# KiCad board LogicBoard_tht2.kicad_pcb (continued)
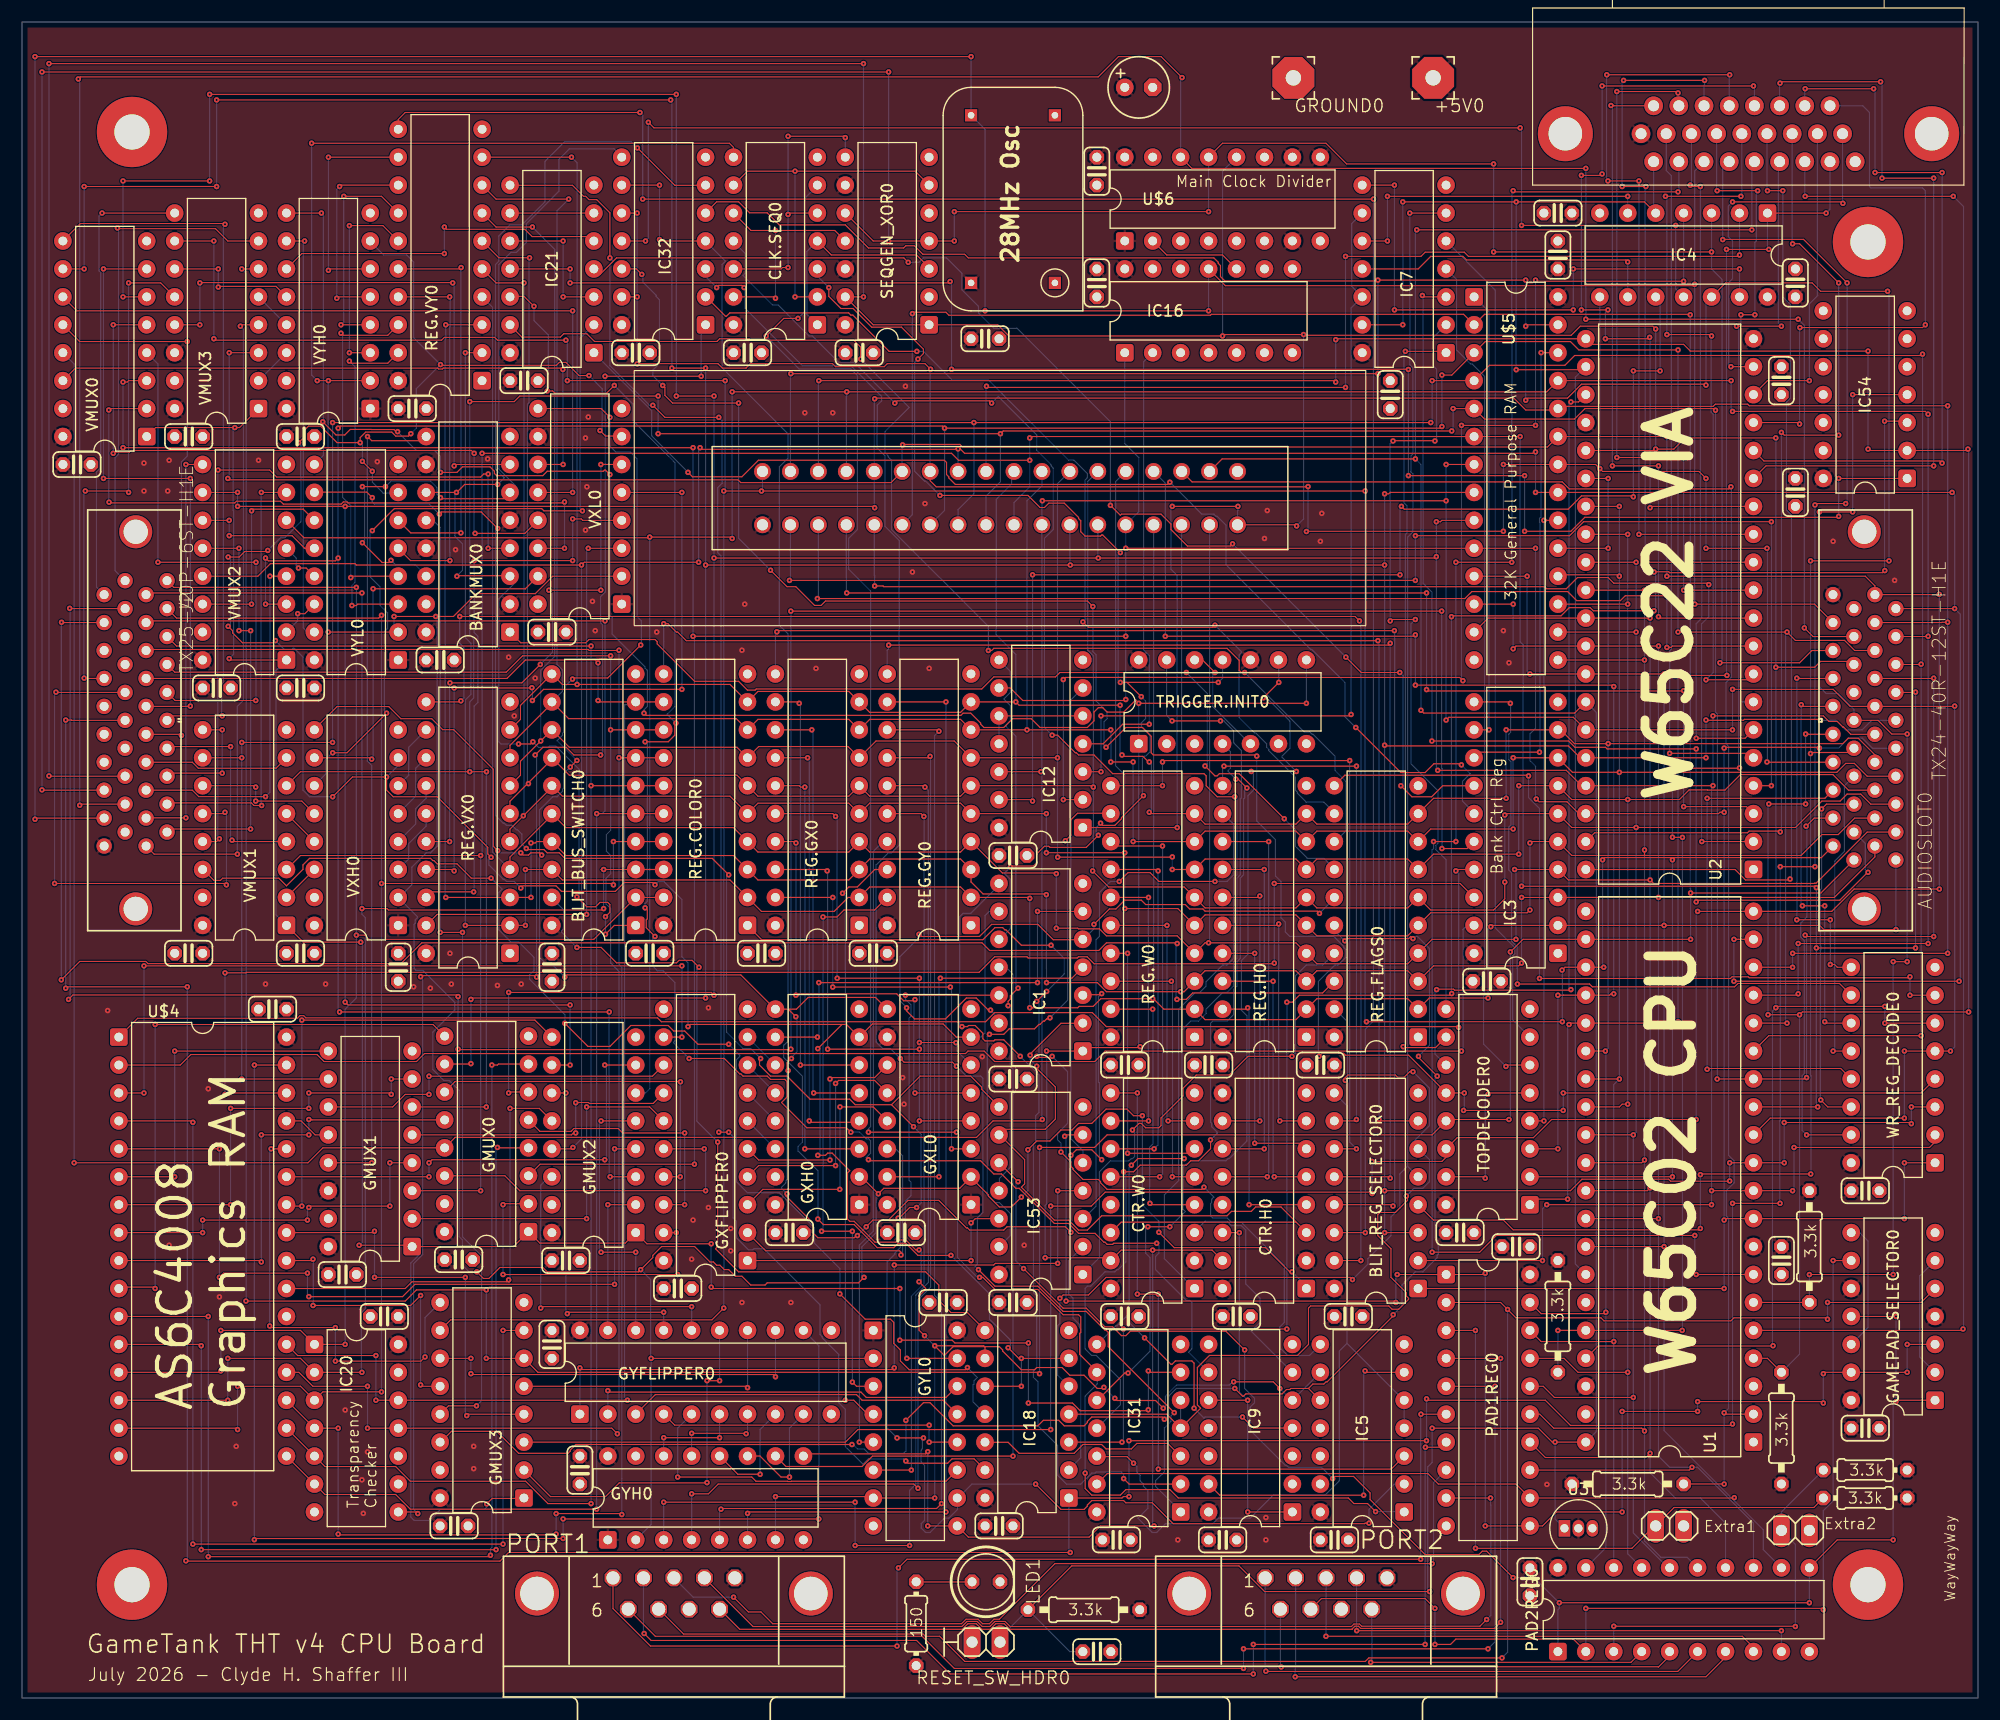
[diagram p0: board, top side]
## Routing (per net, layer and track width the routed paths; a pad name or vN(x,y) marks a point on that pad's centre or on a via; arc(x,y) is an arc through that point) (continued)
Net-(GMUX2A-2A): length 25.5
  Top w0.102: v1(55.79,40.54) v1(52.64,40.54) ; v1(52.64,52.48) GMUX2.5
  Bottom w0.102: v1(52.64,40.54) 52.49,40.69 52.49,52.33 v1(52.64,52.48) ; GYFLIPPER0.18 v1(55.79,40.54)
Net-(GMUX2A-2Y): length 41.9
  Top w0.102: U$4.27 v1(37,47.4) ; v1(37,48.67) 37.27,48.94 v1(52.98,48.94) ; GMUX2.7 v1(52.98,57.56)
  Bottom w0.102: v1(37,47.4) v1(37,48.67) ; v1(52.98,57.56) 53.12,57.41 53.12,49.09 v1(52.98,48.94)
Net-(GMUX2A-3A): length 31.9
  Top w0.102: v1(49.57,34.95) 49.7,35.08 v1(58.33,35.08) ; v1(49.44,55.02) GMUX2.11
  Bottom w0.102: GYFLIPPER0.17 v1(58.33,35.08) ; v1(49.57,34.95) 49.44,35.08 v1(49.44,55.02)
Net-(GMUX2A-3Y): length 41.7
  Top w0.102: U$4.26 24.17,44.73 v1(25.44,44.73) ; GMUX2.9 46.62,61.64 v1(25.44,61.64)
  Bottom w0.102: v1(25.44,61.64) v1(25.44,44.73)
Net-(GMUX2A-4A): length 28.4
  Top w0.102: v1(60.87,35.59) 47.28,35.59 v1(47.16,35.46)
  Bottom w0.102: v1(47.16,35.46) 47.16,46.63 47.92,47.4 GMUX2.14 ; GYFLIPPER0.16 v1(60.87,35.59)
Net-(GMUX2A-4Y): length 40.4
  Top w0.102: v1(44.23,38.02) 44.06,37.85 35.45,37.85 34.84,37.24 U$4.23 ; GMUX2.12 47.02,53.62 v1(44.36,53.62)
  Bottom w0.102: v1(44.23,38.02) 44.36,38.15 v1(44.36,53.62)
Net-(GMUX3A-1A): length 33.2
  Top w0.102: v1(62.27,28.85) v1(63.41,28.85) ; GMUX3.2 48.04,18.31 53.04,18.31 54.29,19.56 62.25,19.56 v1(62.27,19.58)
  Bottom w0.102: v1(62.27,19.58) v1(62.27,28.85) ; v1(63.41,28.85) GYFLIPPER0.15
Net-(GMUX3A-1Y): length 38.4
  Top w0.102: GMUX3.4 40.55,25.81 v1(40.42,25.68) ; v1(32.04,42.44) 31.92,42.32 U$4.25 ; v1(40.3,38.25) v1(32.04,38.25)
  Bottom w0.102: v1(40.42,25.68) 40.3,25.81 v1(40.3,38.25) ; v1(32.04,38.25) v1(32.04,42.44)
Net-(GMUX3A-2A): length 25.6
  Top w0.102: v1(65.95,28.22) 65.82,28.35 GMUX3.5
  Bottom w0.102: v1(65.95,28.22) GYFLIPPER0.14
Net-(GMUX3A-2Y): length 94.7
  Top w0.102: v1(43.73,33.43) GMUX3.7 ; v1(15.53,52.35) 15.41,52.48 U$4.4 ; v1(15.53,14) v1(43.73,14)
  Bottom w0.102: v1(15.53,52.35) v1(15.53,14) ; v1(43.73,14) v1(43.73,33.43)
Net-(GMUX3A-3A): length 36.2
  Top w0.102: v1(40.81,29.49) 40.88,29.41 68.29,29.41 v1(68.49,29.21) ; GMUX3.11 v1(40.81,30.89)
  Bottom w0.102: v1(40.81,30.89) v1(40.81,29.49) ; v1(68.49,29.21) GYFLIPPER0.13
Net-(GMUX3A-3Y): length 40.5
  Top w0.102: v1(28.49,30.63) 36.25,30.63 v1(36.64,31.01) ; v1(22.52,33.83) 22.67,33.68 v1(28.49,33.68) ; v1(22.64,49.94) U$4.28
  Bottom w0.102: GMUX3.9 36.64,34.6 v1(36.64,31.01) ; v1(22.64,49.94) 22.52,49.81 v1(22.52,33.83) ; v1(28.49,30.63) v1(28.49,33.68)
Net-(GMUX3A-4Y): length 26.8
  Top w0.102: v1(26.45,39.9) 26.33,39.78 U$4.24 ; v1(36.23,36.6) 35.32,35.69 v1(26.45,35.69) ; v1(36.23,28.47) 36.36,28.35 GMUX3.12
  Bottom w0.102: v1(36.23,28.47) v1(36.23,36.6) ; v1(26.45,39.9) 26.48,39.88 26.48,35.71 v1(26.45,35.69)
Net-(GXFLIPPER0A-D0): length 25.7
  Top w0.102: GXFLIPPER0.2 67.6,40.67 79.77,40.67 79.9,40.54 v1(79.9,40.28)
  Bottom w0.102: GXL0.14 79.41,49.94 80.05,49.3 80.05,40.43 v1(79.9,40.28)
Net-(GXFLIPPER0A-D1): length 21.3
  Top w0.102: v1(74.35,53.75) 77.38,53.75 GXL0.13 ; v1(74.33,46.25) 67.34,46.25 GXFLIPPER0.3
  Bottom w0.102: v1(74.35,53.75) 74.35,46.28 v1(74.33,46.25)
Net-(GXFLIPPER0A-D2): length 21.2
  Top w0.102: v1(73.95,48.41) 66.96,48.41 GXFLIPPER0.4 ; v1(73.95,55.88) 74.23,56.16 77.5,56.16 GXL0.12
  Bottom w0.102: v1(73.95,48.41) v1(73.95,55.88)
Net-(GXFLIPPER0A-D3): length 21
  Top w0.102: GXL0.11 77.5,56.41 73.57,56.41 v1(73.44,56.29) ; GXFLIPPER0.5 66.96,48.92 v1(73.44,48.92)
  Bottom w0.102: v1(73.44,48.92) v1(73.44,56.29)
Net-(GXFLIPPER0A-D4): length 3.6
  Bottom w0.102: GXFLIPPER0.6 GXH0.14
Net-(GXFLIPPER0A-D5): length 3.6
  Bottom w0.102: GXFLIPPER0.7 GXH0.13
Net-(GXFLIPPER0A-D6): length 3.6
  Bottom w0.102: GXFLIPPER0.8 GXH0.12
Net-(GXFLIPPER0A-D7): length 3.6
  Bottom w0.102: GXFLIPPER0.9 GXH0.11
Net-(GXFLIPPER0A-T/~{C}): length 26.4
  Top w0.102: GXFLIPPER0.1 v1(86.27,39.78) ; v1(86.27,43.21) 86.65,43.59 IC53.12
  Bottom w0.102: v1(86.27,39.78) v1(86.27,43.21)
Net-(GXH0A-P0): length 40.6
  Top w0.102: REG.GX0.15 70.65,82.96 70.78,82.83 v1(71.16,82.83) ; GXH0.3 v1(71.16,49.94)
  Bottom w0.102: v1(71.16,49.94) v1(71.16,82.83)
Net-(GXH0A-P1): length 40.7
  Top w0.102: v1(71.56,52.48) 71.69,52.35 75.98,52.35 GXH0.4 ; v1(71.41,85.5) REG.GX0.14
  Bottom w0.102: v1(71.41,85.5) 71.56,85.35 v1(71.56,52.48)
Net-(GXH0A-P2): length 40.5
  Top w0.102: GXH0.5 v1(71.96,55.02) ; v1(71.79,88.04) REG.GX0.13
  Bottom w0.102: v1(71.96,55.02) 71.9,55.08 71.9,87.93 v1(71.79,88.04)
Net-(GXH0A-P3): length 40.5
  Top w0.102: REG.GX0.12 70.52,90.58 v1(70.65,90.45) ; GXH0.6 v1(70.76,57.56)
  Bottom w0.102: v1(70.76,57.56) 70.76,90.34 v1(70.65,90.45)
Net-(GXL0A-P0): length 40.6
  Top w0.102: v1(84.49,49.94) GXL0.3 ; REG.GX0.19 v1(73.7,72.8) ; v1(73.7,64.65) v1(84.39,64.65)
  Bottom w0.102: v1(73.7,72.8) v1(73.7,64.65) ; v1(84.49,49.94) 84.49,64.54 v1(84.39,64.65)
Net-(GXL0A-P1): length 40.5
  Top w0.102: v1(81.57,52.48) GXL0.4 ; v1(73.19,75.21) 73.06,75.34 REG.GX0.18 ; v1(73.23,59) v1(81.57,59)
  Bottom w0.102: v1(73.19,75.21) 73.23,75.17 v1(73.23,59) ; v1(81.57,59) v1(81.57,52.48)
Net-(GXL0A-P2): length 40.6
  Top w0.102: v1(70.35,77.75) 70.23,77.88 REG.GX0.17 ; v1(81.17,55.02) GXL0.5 ; v1(70.35,63.91) 70.48,64.03 79.51,64.03 80.14,63.4 81.06,63.4 v1(81.17,63.5)
  Bottom w0.102: v1(81.17,55.02) 81.06,55.12 81.06,63.4 v1(81.17,63.5) ; v1(70.35,77.75) v1(70.35,63.91)
Net-(GXL0A-P3): length 39.6
  Top w0.102: v1(74.1,65.45) v1(81.57,65.45) ; v1(81.57,59.6) 84.88,59.6 v1(84.9,59.59) ; REG.GX0.16 73.7,80.42 v1(73.95,80.16)
  Bottom w0.102: v1(84.9,59.59) 85,59.48 85,58.82 GXL0.6 ; v1(73.95,80.16) 74.1,80.01 v1(74.1,65.45) ; v1(81.57,65.45) v1(81.57,59.6)
Net-(GYFLIPPER0A-D0): length 34.6
  Top w0.102: GYL0.14 83.99,27.33 76.75,27.33 76.26,27.82 53.38,27.82 v1(53.25,27.94)
  Bottom w0.102: GYFLIPPER0.2 v1(53.25,27.94)
Net-(GYFLIPPER0A-D1): length 30.7
  Top w0.102: GYFLIPPER0.3 57.56,27.58 75.86,27.58 76.37,27.08 83.74,27.08 GYL0.13
Net-(GYFLIPPER0A-D2): length 28.6
  Top w0.102: v1(82.46,23.27) GYL0.12 ; v1(82.46,24.81) 59.33,24.81 GYFLIPPER0.4
  Bottom w0.102: v1(82.46,24.81) v1(82.46,23.27)
Net-(GYFLIPPER0A-D3): length 32.2
  Top w0.102: v1(59.6,20.09) 66.33,20.09 66.71,19.71 69.57,19.71 69.59,19.69 69.93,19.69 69.95,19.71 83.99,19.71 GYL0.11
  Bottom w0.102: v1(59.6,20.09) 59.6,24.54 GYFLIPPER0.5
Net-(GYFLIPPER0A-D4): length 8.9
  Top w0.102: v1(58.33,23.67) v1(63.41,23.67)
  Bottom w0.102: v1(63.41,23.67) GYFLIPPER0.6 ; GYH0.14 v1(58.33,23.67)
Net-(GYFLIPPER0A-D5): length 8.9
  Top w0.102: v1(60.87,24.07) 65.78,24.07 v1(65.82,24.03)
  Bottom w0.102: v1(65.82,24.03) 65.95,24.16 GYFLIPPER0.7 ; GYH0.13 v1(60.87,24.07)
Net-(GYFLIPPER0A-D6): length 10.4
  Top w0.102: GYH0.12 65.07,20.35 v1(67.09,20.35)
  Bottom w0.102: GYFLIPPER0.8 67.09,24.41 v1(67.09,20.35)
Net-(GYFLIPPER0A-D7): length 10.8
  Top w0.102: GYH0.11 67.08,22 68.99,20.09 v1(69.76,20.09)
  Bottom w0.102: v1(69.76,20.09) 69.76,24.54 GYFLIPPER0.9
Net-(GYFLIPPER0A-T/~{C}): length 66.1
  Top w0.102: v1(79.29,39.37) 88.33,39.37 88.47,39.52 v1(94.15,39.52) ; v1(50.71,30.02) 50.86,29.87 79.14,29.87 v1(79.29,30.02) ; v1(94.15,46.13) IC53.4
  Bottom w0.102: v1(94.15,39.52) v1(94.15,46.13) ; v1(79.29,30.02) v1(79.29,39.37) ; GYFLIPPER0.1 v1(50.71,30.02)
Net-(GYH0A-P0): length 103
  Top w0.102: v1(58.33,17.81) v1(75.73,17.81) ; v1(82.08,82.83) 81.95,82.96 REG.GY0.15 ; v1(75.73,13.87) v1(80.68,13.87)
  Bottom w0.102: v1(82.08,82.83) 82.38,82.52 82.38,37.79 81.24,36.65 81.24,19.44 80.68,18.88 v1(80.68,13.87) ; v1(75.73,17.81) v1(75.73,13.87) ; GYH0.3 v1(58.33,17.81)
Net-(GYH0A-P1): length 96.3
  Top w0.102: v1(60.87,18.57) 62.4,18.57 63.28,19.46 81.06,19.46 v1(81.45,19.08) ; v1(82.54,85.62) 82.42,85.5 REG.GY0.14
  Bottom w0.102: GYH0.4 v1(60.87,18.57) ; v1(81.45,19.08) 81.45,36.22 82.59,37.36 82.59,85.58 v1(82.54,85.62)
Net-(GYH0A-P2): length 98.5
  Top w0.102: REG.GY0.13 83.22,88.04 v1(83.35,87.91) ; v1(83.58,17.68) 83.14,17.23 63.6,17.23 v1(63.54,17.17)
  Bottom w0.102: v1(83.35,87.91) 82.95,87.51 82.95,36.63 83.58,36 v1(83.58,17.68) ; GYH0.5 63.41,17.04 v1(63.54,17.17)
Net-(GYH0A-P3): length 99.5
  Top w0.102: v1(65.95,16.79) 66.08,16.92 v1(83.99,16.92) ; REG.GY0.12 v1(83.99,90.58)
  Bottom w0.102: v1(65.95,16.79) GYH0.6 ; v1(83.99,90.58) v1(83.99,16.92)
Net-(GYL0A-P0): length 53.8
  Top w0.102: v1(72.81,71.02) 74.08,71.02 74.71,71.65 77.5,71.65 REG.GY0.19 ; v1(75.48,42.44) v1(72.68,42.44) ; v1(75.48,28.73) 75.86,28.35 GYL0.3
  Bottom w0.102: v1(72.68,42.44) 72.83,42.59 72.83,71 v1(72.81,71.02) ; v1(75.48,28.73) v1(75.48,42.44)
Net-(GYL0A-P1): length 54.2
  Top w0.102: v1(74.84,27.08) 75.6,27.08 76.87,25.81 GYL0.4 ; REG.GY0.18 77.51,75.34 75.93,73.75 75.16,73.75 v1(74.59,73.18)
  Bottom w0.102: v1(74.84,27.08) 74.84,72.92 v1(74.59,73.18)
Net-(GYL0A-P2): length 57.3
  Top w0.102: GYL0.5 v1(76.11,23.27)
  Bottom w0.102: REG.GY0.17 78.52,78 78.4,78 77.38,76.99 77.38,42.44 76.11,41.17 v1(76.11,23.27)
Net-(GYL0A-P3): length 66.8
  Top w0.102: v1(80.84,20.73) GYL0.6 ; REG.GY0.16 81.73,80.42 v1(81.98,80.16)
  Bottom w0.102: v1(81.98,80.16) 82,80.14 82,37.7 80.84,36.54 v1(80.84,20.73)
Net-(IC1C-O): length 74.6
  Top w0.102: v1(85.44,61.05) 85.94,61.05 86.04,61.15 86.64,61.15 87.34,60.45 87.34,59.95 87.54,59.75 88.34,59.75 88.44,59.85 89.24,59.85 v1(90.74,58.35) ; 105.34,19.45 100.64,19.45 v1(100.14,19.95)
  Bottom w0.102: v1(90.74,58.35) 92.44,56.65 92.44,53.25 92.14,52.95 92.14,50.55 91.94,50.35 91.94,36.85 92.24,36.55 92.24,30.05 91.94,29.75 91.94,29.15 92.34,28.75 92.34,24.75 94.14,22.95 94.14,20.25 94.94,19.45 96.24,19.45 97.24,20.45 97.54,20.45 97.64,20.55 99.94,20.55 100.14,20.35 v1(100.14,19.95) ; 88.84,73.95 86.24,71.35 85.54,71.35 85.24,71.05 85.24,61.25 v1(85.44,61.05)
Net-(IC4D-I): length 28
  Top w0.102: IC7.11 126.91,129.95 128.05,131.09 130.98,131.09 131.3,130.76 145.78,130.76 v1(145.96,130.58)
  Bottom w0.102: IC4.9 v1(145.96,130.58)
Net-(IC4F-I): length 51.9
  Top w0.102: v1(124.75,126.22) v1(141.01,126.22) ; v1(141.01,129.95) v1(156.12,129.95) ; IC7.8 v1(124.75,137.57)
  Bottom w0.102: v1(124.75,137.57) v1(124.75,126.22) ; v1(156.12,129.95) IC4.13 ; v1(141.01,126.22) v1(141.01,129.95)
Net-(IC5B-O): length 29.5
  Top w0.102: v1(122.09,29.74) 122.21,29.62 IC5.6 ; v1(121.96,18.44) 108.88,18.44 IC9.13
  Bottom w0.102: v1(121.96,18.44) 121.96,29.62 v1(122.09,29.74)
Net-(IC5C-O): length 90.9
  Top w0.102: v1(93.64,58.35) 93.54,58.25 92.34,58.25 v1(92.24,58.35) ; 65.94,70.25 67.24,68.95 87.34,68.95 88.44,70.05 89.14,70.05 89.34,69.85 89.44,69.85 90.84,68.45 v1(93.54,68.45) ; v1(107.44,46.45) 107.24,46.25 98.64,46.25 98.04,46.85 98.04,46.95 97.84,47.15 96.44,47.15 95.54,48.05 95.54,48.15 95.34,48.35 95.34,48.75 v1(94.44,49.65) ; v1(93.14,64.25) v1(92.24,63.35)
  Bottom w0.102: v1(93.14,64.25) 94.74,65.85 94.74,67.25 v1(93.54,68.45) ; 118.04,32.15 117.04,31.15 115.04,31.15 114.34,31.85 114.34,33.75 114.74,34.15 114.74,39.35 110.84,43.25 109.94,43.25 109.54,43.65 108.24,43.65 108.04,43.85 108.04,44.95 108.14,45.05 108.14,45.35 108.34,45.55 v1(107.44,46.45) ; v1(94.44,49.65) 94.44,50.45 94.14,50.75 94.14,51.35 95.04,52.25 95.04,56.95 v1(93.64,58.35) ; v1(92.24,63.35) 92.44,63.15 92.44,58.55 v1(92.24,58.35)
Net-(IC7A-I0): length 71.6
  Top w0.102: TOPDECODER0.10 128.49,59.14 125.64,59.14 v1(125.55,59.23) ; v1(125.75,122.45) 129.32,122.45 IC7.1
  Bottom w0.102: v1(125.55,59.23) 125.75,59.43 125.75,105.8 125.9,105.94 125.9,108.42 125.62,108.69 125.62,122.33 v1(125.75,122.45)
Net-(IC7A-I1): length 70.9
  Top w0.102: v1(128.44,114.3) 128.41,114.33 124.65,114.33 v1(124.63,114.3) ; v1(124.37,97.94) 124.5,98.07 v1(126.66,98.07)
  Bottom w0.102: v1(124.63,114.3) 124.37,114.05 v1(124.37,97.94) ; v1(126.66,98.07) 126.25,97.67 126.25,84.96 128.71,82.5 128.71,77.71 128.51,77.51 128.51,77.16 129.45,76.22 TOPDECODER0.9 ; IC7.2 128.31,123.73 128.31,121.1 128.58,120.83 128.58,114.45 v1(128.44,114.3)
Net-(IC12A-O): length 76.3
  Top w0.102: v1(120.82,89.43) 120.69,89.31 v1(98.08,89.31) ; v1(98.08,84.23) IC12.3
  Bottom w0.102: IC7.9 120.87,134.07 120.87,128.36 IC7.12 120.82,126.4 v1(120.82,89.43) ; v1(98.08,89.31) v1(98.08,84.23)
Net-(IC12B-I0): length 41.1
  Top w0.102: IC12.4 98.27,86.77 100.05,88.54 v1(102.47,88.54)
  Bottom w0.102: v1(102.47,88.54) 102.47,94.78 101.96,95.29 101.96,121.5 IC16.2
Net-(IC12B-I1): length 10.2
  Top w0.102: IC12.10 IC12.5
  Bottom w0.102: IC12.10 IC12.11
Net-(IC12B-O): length 44.1
  Bottom w0.102: 96.44,91.85 95.34,90.75 95.34,50.85 96.44,49.75 96.44,48.65
Net-(IC12C-O): length 50.8
  Top w0.102: v1(90.54,64.55) 89.84,63.85 89.84,63.55 89.64,63.35 v1(89.64,62.95)
  Bottom w0.102: v1(89.64,62.95) 89.84,62.75 89.84,57.42 90.08,57.18 90.08,55.26 89.84,55.02 89.84,48.25 88.84,47.25 88.84,46.15 ; v1(90.54,64.55) 90.34,64.75 90.34,87.45 89.44,88.35 89.44,88.45 89.84,88.85 89.84,90.25 89.24,90.85 89.84,91.45 89.84,93.35 88.84,94.35
Net-(IC12D-I1): length 105.9
  Top w0.102: IC12.13 91.73,81.69 v1(91.86,81.56) ; v1(146.47,120.68) v1(148.9,120.68) ; v1(146.47,109.22) 146.38,109.31 141.76,109.31 140.55,108.1 125.64,108.1 v1(125.39,108.36) ; v1(91.86,102.13) v1(125.26,102.13)
  Bottom w0.102: v1(146.47,109.22) v1(146.47,120.68) ; v1(125.26,102.13) 125.26,108.23 v1(125.39,108.36) ; v1(148.9,120.68) 148.9,127 IC4.10 ; v1(91.86,81.56) v1(91.86,102.13)
Net-(IC18A-I1): length 21.7
  Bottom w0.102: 96.44,41.05 95.14,39.75 95.14,36.75 95.54,36.35 95.54,34.55 96.14,33.95 96.14,33.65 96.24,33.55 96.24,21.85 95.14,20.75
Net-(IC18A-O): length 168.7
  Top w0.102: v1(99.99,23.27) IC18.3 ; v1(129.94,98.32) 130.01,98.4 139.9,98.4 140.65,99.15 142.55,99.15 142.83,98.86 v1(148.35,98.86) ; v1(169.31,116.1) 171.23,116.1 IC54.3 ; v1(129.96,64.06) 129.81,63.91 116.12,63.91 115.48,63.27 v1(114.97,63.27) ; v1(169.33,102.51) 169.14,102.32 149.77,102.32 149.68,102.41 148.37,102.41 v1(148.35,102.39) ; v1(114.97,33.55) v1(100.11,33.55)
  Bottom w0.102: v1(169.31,116.1) 169.31,102.54 v1(169.33,102.51) ; v1(100.11,33.55) 100.11,23.39 v1(99.99,23.27) ; v1(114.97,63.27) v1(114.97,33.55) ; v1(148.35,98.86) 148.5,99.01 148.5,102.24 v1(148.35,102.39) ; v1(129.94,98.32) 129.94,64.08 v1(129.96,64.06)
Net-(IC18D-I0): length 19.4
  Top w0.102: 105.34,21.95 104.14,23.15 101.34,23.15 100.84,22.65 98.54,22.65 98.14,23.05 96.44,23.05 95.64,22.25 90.64,22.25 89.64,23.25 87.54,23.25
Net-(IC18D-I1): length 150.8
  Top w0.102: v1(80.34,21.55) 80.54,21.35 84.14,21.35 84.54,21.75 86.54,21.75 87.54,20.75 ; v1(63.34,116.45) 58.44,116.45 v1(57.34,117.55) ; v1(63.34,51.45) v1(64.24,51.45) ; v1(53.44,130.95) 53.44,135.05 52.24,136.25 51.54,136.25 51.24,136.55 51.04,136.55 50.04,137.55 44.34,137.55
  Bottom w0.102: v1(53.44,130.95) 53.74,130.65 53.44,130.35 53.44,121.15 57.04,117.55 v1(57.34,117.55) ; v1(80.34,21.55) 80.14,21.75 76.94,21.75 76.44,21.25 74.84,22.85 74.84,26.25 74.24,26.85 74.24,31.25 72.74,32.75 72.74,32.85 72.54,33.05 72.54,35.75 67.44,40.85 66.54,40.85 66.44,40.75 66.04,40.75 64.94,41.85 64.94,43.35 64.64,43.65 64.64,51.05 v1(64.24,51.45) ; v1(63.34,116.45) 63.64,116.15 63.64,110.45 63.24,110.05 63.24,104.15 63.54,103.85 63.54,51.65 v1(63.34,51.45)
Net-(IC18D-O): length 113.5
  Top w0.102: v1(42.64,74.55) 40.84,74.55 39.54,75.85 37.74,75.85 37.44,76.15 37.34,76.15 37.14,76.35 26.14,76.35 25.54,75.75 25.54,75.35 24.04,73.85 23.34,74.55 18.24,74.55 18.04,74.35 17.44,74.35 16.44,75.35 ; v1(49.34,61.35) 51.44,59.25 53.44,59.25 55.34,61.15 58.74,61.15 59.24,60.65 60.24,60.65 61.44,59.45 v1(64.24,59.45) ; v1(85.94,30.05) 85.74,29.85 80.64,29.85 79.84,30.65 79.84,31.65 79.24,32.25 79.24,34.15 78.94,34.45 76.64,34.45 v1(74.34,36.75)
  Bottom w0.102: v1(64.24,59.45) 65.24,58.45 65.24,58.35 64.94,58.05 64.94,46.95 65.94,45.95 68.84,45.95 72.04,42.75 72.04,41.35 74.34,39.05 v1(74.34,36.75) ; v1(49.34,61.35) 49.34,62.15 46.14,65.35 46.14,65.75 46.54,66.15 46.54,67.35 45.14,68.75 44.44,68.75 43.34,69.85 43.34,73.25 43.64,73.55 v1(42.64,74.55) ; v1(85.94,30.05) 86.84,29.15 86.54,28.85 86.54,28.55 86.44,28.45 86.44,26.95 87.54,25.85
Net-(IC20A-O): length 137
  Top w0.102: v1(36.23,65.59) 36.33,65.68 46.65,65.68 v1(46.77,65.56) ; v1(46.65,85.75) 47.35,86.45 49.47,86.45 50.16,85.75 v1(52.59,85.75) ; IC20.8 35.83,16.92 v1(35.98,16.77) ; v1(53,120.19) v1(61.74,120.19)
  Bottom w0.102: v1(46.77,65.56) 46.77,85.62 v1(46.65,85.75) ; v1(35.98,16.77) 35.6,17.15 35.6,39.5 36.42,40.32 36.42,65.4 v1(36.23,65.59) ; v1(53,120.19) 53.02,120.17 53.02,100.57 52.59,100.14 52.59,97.78 52.76,97.6 52.76,85.92 v1(52.59,85.75) ; IC32.1 61.74,124.47 v1(61.74,120.19)
Net-(IC21A-O): length 12.7
  Top w0.102: v1(49.19,127.41) IC21.3 ; IC21.10 v1(49.19,132.49)
  Bottom w0.102: v1(49.19,132.49) v1(49.19,127.41)
Net-(IC21B-O): length 7.6
  Top w0.102: IC21.9 IC21.6
Net-(IC31A-I0): length 146.7
  Top w0.102: v1(63.14,128.25) 63.34,128.45 65.44,128.45 v1(65.64,128.25) ; v1(84.94,57.45) 84.58,57.81 80.18,57.81 v1(79.84,58.15) ; v1(104.74,25.95) 98.74,31.95 98.74,33.25 98.54,33.45 98.44,33.45 96.74,35.15 94.64,35.15 92.34,37.45 88.44,37.45 v1(86.94,38.95)
  Bottom w0.102: v1(63.14,128.25) 62.14,129.25 62.14,129.95 ; 105.34,16.95 103.04,19.25 103.04,19.75 103.84,20.55 103.84,24.55 104.44,25.15 104.44,25.65 v1(104.74,25.95) ; v1(84.94,57.45) 85.84,56.55 87.14,56.55 87.34,56.35 87.34,44.15 86.84,43.65 86.84,39.45 86.64,39.25 v1(86.94,38.95) ; v1(79.84,58.15) 78.94,59.05 78.24,59.05 77.64,59.65 77.64,75.75 78.74,76.85 79.04,76.85 79.74,77.55 79.74,105.25 78.44,106.55 78.44,112.95 77.74,113.65 77.74,117.55 78.14,117.95 78.14,118.35 75.34,121.15 70.94,121.15 65.74,126.35 65.74,128.15 v1(65.64,128.25)
Net-(IC31C-I1): length 84.2
  Top w0.102: v1(100.54,29.55) 100.24,29.55 97.74,27.05 ; v1(112.84,90.95) v1(114.24,92.35) ; v1(102.34,42.85) v1(104.34,42.85) ; v1(111.74,84.25) v1(115.84,84.25)
  Bottom w0.102: v1(111.74,84.25) 111.94,84.05 111.94,82.55 111.44,82.05 111.44,67.65 110.84,67.05 110.84,62.55 111.34,62.05 111.34,50.65 109.74,49.05 109.64,49.05 109.44,48.85 106.24,48.85 105.94,48.55 105.84,48.55 105.54,48.25 105.54,44.45 105.74,44.25 v1(104.34,42.85) ; v1(100.54,29.55) 102.54,31.55 102.54,40.05 102.14,40.45 102.14,42.65 v1(102.34,42.85) ; v1(114.24,92.35) 114.24,94.35 ; v1(115.84,84.25) 114.54,85.55 114.54,85.65 115.24,86.35 115.24,88.85 113.14,90.95 v1(112.84,90.95)
Net-(IC31C-O): length 98.8
  Top w0.102: v1(102.04,32.75) 104.44,30.35 104.54,30.35 104.84,30.65 106.34,30.65 106.54,30.45 v1(106.54,26.35) ; v1(105.64,49.05) 101.44,49.05 v1(100.84,48.45) ; 115.44,24.55 111.94,24.55 v1(110.94,25.55) ; v1(108.94,88.85) v1(104.54,88.85)
  Bottom w0.102: v1(105.64,49.05) 105.44,49.25 105.44,60.75 106.24,61.55 106.94,61.55 107.64,62.25 107.64,62.65 109.14,64.15 109.54,64.15 110.14,64.75 110.14,66.95 110.44,67.25 110.44,74.55 110.74,74.85 110.74,81.75 110.84,81.85 110.84,86.15 110.14,86.85 110.14,87.95 109.24,88.85 v1(108.94,88.85) ; v1(102.04,32.75) 100.64,34.15 100.64,34.95 ; v1(110.94,25.55) 107.54,25.55 107.44,25.45 v1(106.54,26.35) ; 104.04,94.35 104.04,89.35 v1(104.54,88.85) ; 100.64,34.95 99.54,33.85 99.44,33.85 97.74,32.15 ; 100.64,34.95 100.64,48.25 v1(100.84,48.45)
Net-(IC31D-O): length 77.5
  Top w0.102: v1(111.34,82.75) 110.54,83.55 v1(110.34,83.55) ; v1(108.04,50.75) 108.04,49.95 106.94,48.85 106.24,48.85 105.84,48.45 101.64,48.45 101.04,47.85 v1(100.14,47.85)
  Bottom w0.102: v1(108.04,50.75) 108.64,51.35 108.64,51.45 108.14,51.95 108.14,52.25 108.04,52.35 108.04,61.35 108.24,61.55 109.54,61.55 110.14,62.15 110.14,64.45 110.44,64.75 110.44,66.95 110.74,67.25 110.74,74.55 111.04,74.85 111.04,81.75 111.14,81.85 111.14,82.55 v1(111.34,82.75) ; v1(110.34,83.55) 109.64,84.25 109.64,84.35 109.84,84.55 109.84,86.05 109.14,86.75 ; v1(100.14,47.85) 100.34,47.65 100.34,39.65 99.64,38.95 99.54,38.95 99.34,38.75 98.44,38.75 97.14,37.45 96.84,37.45 96.64,37.25 96.64,31.75 97.24,31.15 97.64,31.15 99.84,28.95 99.84,26.65 97.74,24.55
Net-(IC32D-O): length 122.3
  Top w0.102: v1(56.93,143.28) 57.44,142.77 v1(136.18,142.77) ; IC32.11 v1(56.68,132.49) ; v1(136.31,133.91) v1(150.32,133.91)
  Bottom w0.102: v1(136.31,133.91) 136.31,142.65 v1(136.18,142.77) ; v1(150.32,133.91) 150.32,128.12 IC4.11 ; v1(56.93,143.28) 56.93,132.74 v1(56.68,132.49)
Net-(J1-Pin_11): length 64.4
  Top w0.102: v1(149.77,85.9) 156.99,85.9 U2.5
  Bottom w0.102: v1(149.77,85.9) 149.77,95.21 149.92,95.36 149.92,138.43 149.46,138.89 J1.11
Net-(J1-Pin_12): length 61.6
  Top w0.102: U2.6 156.63,87.27 v1(152.18,87.27) ; v1(151.64,137.57) 151.77,137.44 v1(152.57,137.44)
  Bottom w0.102: v1(152.18,87.27) 152.18,97.69 152.69,98.2 152.69,103.15 152.57,103.28 v1(152.57,137.44) ; J1.12 151.75,137.67 v1(151.64,137.57)
Net-(J1-Pin_13): length 57.8
  Top w0.102: v1(157.77,137.06) v1(154.09,137.06) ; v1(156.25,125.78) v1(157.52,125.78)
  Bottom w0.102: J1.13 154.04,137.11 v1(154.09,137.06) ; v1(157.77,137.06) 157.65,136.93 157.65,132.49 157.52,132.36 v1(157.52,125.78) ; U2.7 156.38,90.58 156.25,90.7 v1(156.25,125.78)
Net-(J1-Pin_14): length 65.5
  Top w0.102: U2.8 156.86,92.59 v1(153.07,92.59) ; v1(149.39,136.55) v1(156.25,136.55) ; v1(153.58,123.85) 153.45,123.98 v1(149.52,123.98)
  Bottom w0.102: v1(153.07,92.59) 153.73,93.24 153.73,116.74 153.54,116.93 153.54,123.81 v1(153.58,123.85) ; v1(149.39,136.55) 149.52,136.42 v1(149.52,123.98) ; v1(156.25,136.55) 156.33,136.63 J1.14
Net-(J1-Pin_15): length 88.9
  Top w0.102: U2.40 155.71,75.34 156.67,74.38 160.63,74.38 v1(160.71,74.47) ; v1(160.06,137.06) v1(158.66,137.06)
  Bottom w0.102: v1(160.71,74.47) 160.84,74.6 160.84,107.57 160.39,108.02 160.39,117.82 160.74,118.18 160.74,126.71 160.06,127.4 v1(160.06,137.06) ; J1.15 158.62,137.1 v1(158.66,137.06)
Net-(J1-Pin_16): length 89.3
  Top w0.102: U2.39 142.95,78.68 156.84,78.68 157,78.83 159.75,78.83 v1(159.83,78.76) ; v1(165.14,114.83) 160.19,114.83 v1(159.93,115.09) ; v1(165.14,128.68) 161.58,132.23 v1(160.95,132.23)
  Bottom w0.102: v1(160.95,132.23) 160.91,132.27 J1.16 ; v1(159.83,78.76) 159.93,78.86 v1(159.93,115.09) ; v1(165.14,114.83) v1(165.14,128.68)
Net-(J1-Pin_17): length 28.4
  Top w0.102: U2.18 158.66,119.79 v1(162.47,119.79)
  Bottom w0.102: J1.17 163.2,127.57 163.23,127.53 162.47,126.77 v1(162.47,119.79)
Net-(J1-Pin_18): length 34
  Top w0.102: v1(155.49,136.04) 165.39,136.04 v1(165.52,135.92) ; v1(155.34,121.06) U2.19
  Bottom w0.102: v1(155.49,136.04) 155.11,135.66 155.11,132.87 155.49,132.49 155.49,129.06 155.14,128.71 155.14,121.26 v1(155.34,121.06) ; J1.18 165.49,135.94 v1(165.52,135.92)
Net-(J1-Pin_19): length 63.3
  Top w0.102: v1(148.76,98.32) 148.88,98.2 U2.10 ; J1.19 144.72,144.78 144.69,144.81 v1(144.44,144.81) ; v1(148.76,112.04) v1(144.56,112.04)
  Bottom w0.102: v1(148.76,98.32) v1(148.76,112.04) ; v1(144.56,112.04) 144.56,144.68 v1(144.44,144.81)
Net-(J1-Pin_20): length 64.6
  Top w0.102: U2.11 v1(151.04,100.74) ; v1(151.04,112.8) v1(144.97,112.8) ; v1(150.53,145.95) 150.41,146.08 v1(144.97,146.08)
  Bottom w0.102: J1.20 150.53,144.85 v1(150.53,145.95) ; v1(151.04,100.74) v1(151.04,112.8) ; v1(144.97,146.08) v1(144.97,112.8)
Net-(J1-Pin_21): length 65.6
  Top w0.102: v1(145.58,147.09) v1(152.95,147.09) ; U2.12 v1(147.61,103.28) ; v1(147.61,137.44) v1(145.45,137.44)
  Bottom w0.102: v1(145.45,137.44) 145.45,146.96 v1(145.58,147.09) ; v1(147.61,137.44) 147.55,137.38 147.55,103.34 v1(147.61,103.28) ; v1(152.95,147.09) 152.95,146.71 152.9,146.66 J1.21
Net-(J1-Pin_22): length 69.1
  Top w0.102: v1(144.06,147.6) v1(155.23,147.6) ; U2.13 v1(146.98,105.82) ; v1(146.98,137.95) v1(144.16,137.95)
  Bottom w0.102: J1.22 155.19,147.55 v1(155.23,147.6) ; v1(144.16,137.95) 144.03,138.07 144.03,147.58 v1(144.06,147.6) ; v1(146.98,105.82) v1(146.98,137.95)
Net-(J1-Pin_23): length 72.1
  Top w0.102: v1(141.75,138.46) 143.5,138.46 v1(143.63,138.58) ; v1(143.93,123.6) 147.82,123.6 v1(147.95,123.72) ; U2.14 148.12,108.36 v1(147.99,108.23) ; v1(157.39,146.58) v1(143.63,146.58) ; v1(144.16,126.22) v1(141.75,126.22)
  Bottom w0.102: v1(157.39,146.58) 157.47,146.5 J1.23 ; v1(141.75,126.22) v1(141.75,138.46) ; v1(143.93,123.6) 143.93,125.99 v1(144.16,126.22) ; v1(147.99,108.23) 147.99,123.68 v1(147.95,123.72) ; v1(143.63,138.58) v1(143.63,146.58) 143.63,146.71
Net-(J1-Pin_24): length 67.8
  Top w0.102: v1(159.8,146.84) 159.93,146.96 v1(168.95,146.96) ; U2.15 158.53,112.04 v1(173.77,112.04) ; v1(173.77,138.2) v1(169.08,138.2)
  Bottom w0.102: v1(173.77,112.04) v1(173.77,138.2) ; v1(168.95,146.96) 169.08,146.84 v1(169.08,138.2) ; J1.24 159.76,146.8 v1(159.8,146.84)
Net-(J1-Pin_25): length 65.6
  Top w0.102: v1(174.54,112.29) 174.35,112.48 158.34,112.48 U2.16 ; v1(174.54,138.71) v1(168.44,138.71) ; v1(168.31,146.33) v1(162.09,146.33)
  Bottom w0.102: v1(168.44,138.71) 168.44,146.2 v1(168.31,146.33) ; v1(162.09,146.33) 162.06,146.29 J1.25 ; v1(174.54,112.29) v1(174.54,138.71)
Net-(J1-Pin_26): length 52.5
  Top w0.102: U2.17 161.46,115.98 v1(161.58,115.85) ; v1(161.61,124.61) 172.76,124.61 v1(173.01,124.87)
  Bottom w0.102: v1(161.61,124.61) 161.58,124.58 v1(161.58,115.85) ; J1.26 167.32,144.78 167.93,144.17 167.93,137.44 168.06,137.31 172.76,137.31 173.01,137.06 v1(173.01,124.87)
